# Altium PCB XXXX.687253.007.PcbDoc (part 1 of 2) (continued)
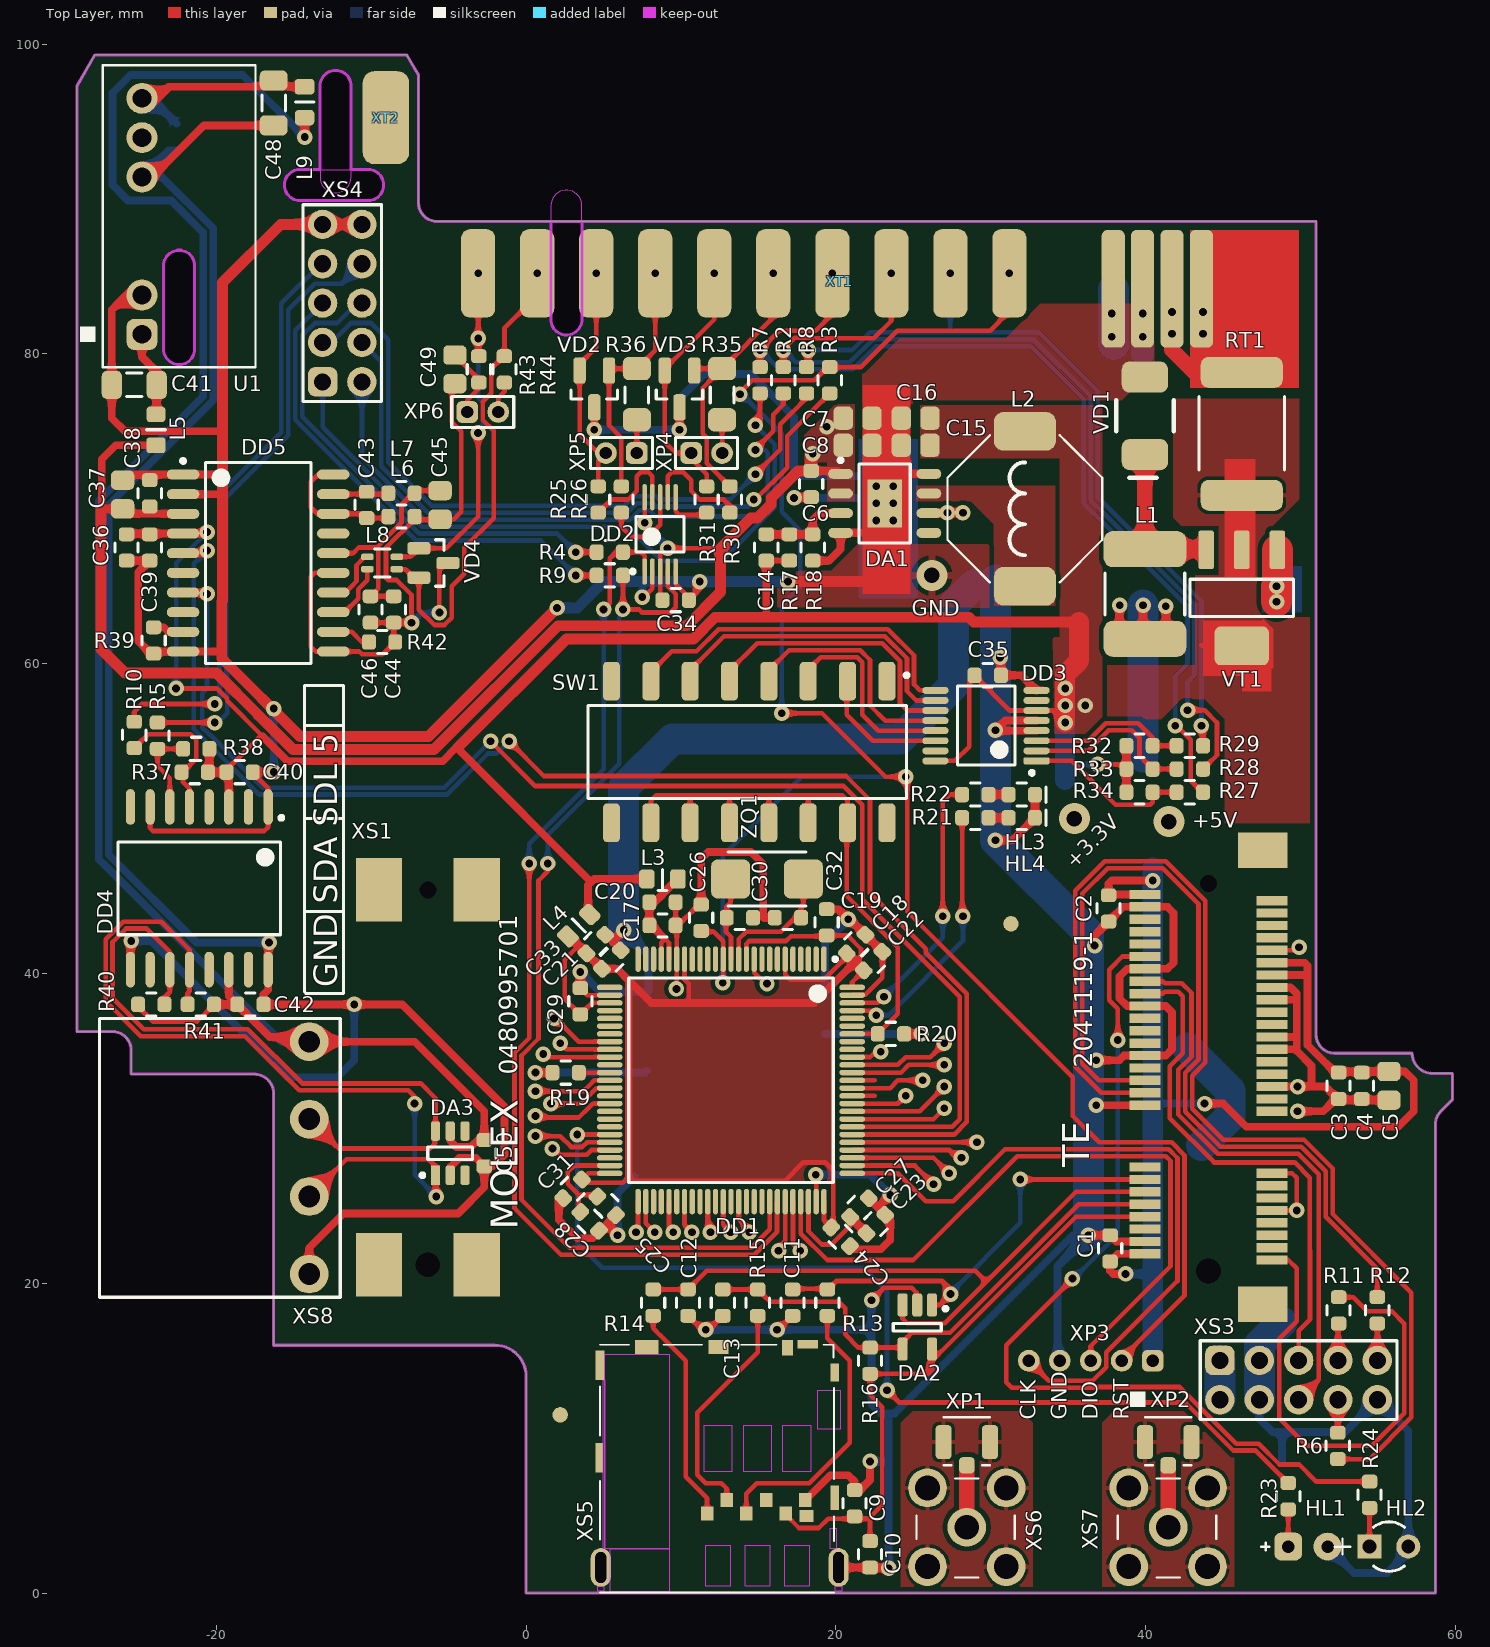
[diagram p0: Top Layer view]
## Part data (continued)
DD4: library part "SI8600AD-B-IS_Silicon Labs", "I?C Digital Isolator 5000Vrms 2 Channel 35kV/µs CMTI 16-SOIC (0.295\", 7.50mm Width)", Manufacturer="Silicon Labs", Operating Temperature="-40°C ~ +85°C", ValueBOM="Микросхема  SI8600AD-B-IS \"Silicon Labs\"", Voltage="5,0 В", ComponentLink2Description="Manufacturer Link", ComponentLink2URL=http://www.silabs.com/, ComponentLink3Description=Datasheet, ComponentLink3URL=https://www.silabs.com/documents/public/data-sheets/Si860x.pdf, ManufacturerPartNumber=SI8600AD-B-IS, Modify="29.04.2019 11:32:57", PartNumber="SI8600AD-B-IS_Silicon Labs", Supplier=Digi-Key, Supplier P/N=336-2049-5-ND, Автор="Ткаченко М.", Количество1=1, Количество2=25, Разрешен к применению=True, Цена1=3,99, Цена2=3,84
DD5: library part "ADM3055EBRIZ_Analog Devices", "5KV ISOPOWER ISOLATED CAN-FD TRA", Manufacturer="Analog Devices", Operating Temperature="-40°C ~ +105°C", ValueBOM="Микросхема  ADM3055EBRIZ \"Analog Devices\"", Voltage="5,0 В", ComponentLink2Description="Manufacturer Link", ComponentLink2URL=http://www.analog.com/en/index.html, ComponentLink3Description=Datasheet, ComponentLink3URL=https://www.analog.com/media/en/technical-documentation/data-sheets/ADM3055E.pdf, ManufacturerPartNumber=ADM3055EBRIZ, Modify="29.03.2019 16:43:48", PartNumber="ADM3055EBRIZ_Analog Devices", Supplier=Digi-Key, Supplier P/N=ADM3055EBRIZ-ND, Автор="Ткаченко М.", Количество1=1, Количество2=31, Разрешен к применению=True, Цена1=12,92, Цена2=11,37
HL1: library part LTL-4266N_LITE_ON, "Red 638nm LED Indication - Discrete 1.8V Radial", Current="20 мА", Manufacturer=LITE_ON, Operating Temperature="-40°C ~ +85°C", ValueBOM="Светодиод LTL-4266N \"LITE_ON\", красный", Voltage="1,8 В", ComponentLink2Description="Manufacturer Link", ComponentLink3Description=Datasheet, ComponentLink3URL=https://media.digikey.com/pdf/Data%20Sheets/Lite-On%20PDFs/LTL-4266N.pdf, Expr1015="09.04.2019 15:38:59", ManufacturerPartNumber=LTL-4266N, Modify="09.04.2019 15:38:59", NoteSCH=Red, PartNumber=LTL-4266N_LITE_ON, Supplier=Digi-Key, Supplier P/N=160-1034-ND, Автор="Ткаченко М.", Количество1=1, Количество2=10, Разрешен к применению=True, Цена1=0,5, Цена2=0,35
HL2: library part WP3A8GD_Kingbright, "Green 568nm LED Indication - Discrete 2.2V Radial", Current="20 мА", Manufacturer=Kingbright, Operating Temperature="-40°C ~ +85°C", Package Description="Светодиод 3 мм Зеленый", ValueBOM="Светодиод WP3A8GD \"Kingbright\", зеленый", Voltage="2,2 В", ComponentLink2Description="Manufacturer Link", ComponentLink2URL=http://www.kingbrightusa.com/, ComponentLink3Description=Datasheet, ComponentLink3URL=http://www.kingbrightusa.com/images/catalog/SPEC/WP3A8GD.pdf, Expr1015="09.04.2019 15:47:55", ManufacturerPartNumber=WP3A8GD, Modify="09.04.2019 15:47:55", NoteSCH=Green, PartNumber=WP3A8GD_Kingbright, Supplier=Digi-Key, Supplier P/N=754-1217-ND, Автор="Ткаченко М.", Количество1=1, Количество2=10, Разрешен к применению=True, Цена1=0,49, Цена2=0,35
HL3 HL4: library part "FYLS-0603PGC_Foryard Optoelectronics", "Светодиод маломощный зеленный 360mcd", Manufacturer="Foryard Optoelectronics", Operating Temperature="-40°C ~ +85°C", Package Description="Chip Led, 2-Leads, Body 1.6x0.8mm, IPC Medium Density", ValueBOM="Светодиод FYLS-0603PGC \"Foryard Optoelectronics\" SMD 0603", ComponentLink2Description="Manufacturer Link", ComponentLink2URL=http://foryard.com, ComponentLink3Description=Datasheet, ComponentLink3URL=http://foryard.com/f_FYLS-0603PGC.pdf, Expr1015="17.08.2015 12:18:50", ManufacturerPartNumber=FYLS-0603PGC, Modify="17.08.2015 12:18:50", NoteSCH=Зеленый, PartNumber="FYLS-0603PGC_Foryard Optoelectronics", Supplier=Compel, Автор="Хоменко С.П.", Количество1=0, Количество2=2000, Разрешен к применению=True, Цена1=0, Цена2=0,02
L1: library part 74279224151_Wurth-Electronics-Inc, Manufacturer=Wurth-Electronics-Inc, ManufacturerPartNumber=74279224151, Operating Temperature="-55°C ~ +125°C", Tolerance="± 20 %", ValueBOM="Индуктивность 74279224151 Wurth-Electronics-Inc", ComponentLink2Description="Manufacturer Link", ComponentLink2URL=http://www.we-online.com/web/en/wuerth_elektronik/start.php, ComponentLink3Description=Datasheet, ComponentLink3URL=http://katalog.we-online.de/pbs/datasheet/74279224151.pdf, Modify="02.06.2016 17:10:51", PartNumber=74279224151_Wurth-Electronics-Inc, Sorting=1, Supplier=Digi-Key, Supplier P/N=732-3423-1-ND, Автор="Ткаченко М.", Количество1=1, Количество2=10, Разрешен к применению=True, Цена1=1,23, Цена2=1,19
L2: library part "SRU1048-2R2Y_Bourns Inc.", "FIXED IND 2.2UH 6.5A 5.3 MOHM", Manufacturer="Bourns Inc.", ManufacturerPartNumber=SRU1048-2R2Y, Operating Temperature="-40°C ~ +125°C", Tolerance="± 20 %", ValueBOM="Дроссель SRU1048-2R2Y \"Bourns Inc.\" (2,2мкГн, ± 20 %, 6,5 А )", ComponentLink2Description="Manufacturer Link", ComponentLink2URL=http://www.bourns.com, ComponentLink3Description=Datasheet, ComponentLink3URL=https://www.bourns.com/docs/Product-Datasheets/SRU1048.pdf, Modify="10.04.2019 21:50:26", PartNumber="SRU1048-2R2Y_Bourns Inc.", Sorting=2,20000004768372, Supplier=Digi-Key, Supplier P/N=SRU1048-2R2YCT-ND, Автор="Ткаченко М.", Количество1=1, Количество2=10, Разрешен к применению=True, Цена1=1,02, Цена2=0,95
L3 L4 L5 L9: library part "BLM21PG221SN1D_Murata Electronics", "FERRITE BEAD 220 OHM 0805 2A", Manufacturer="Murata Electronics", ManufacturerPartNumber=BLM21PG221SN1D, Operating Temperature="-55°C ~ +125°C", Package Description="Chip Ferrite Bead SMD0805, Body 2.0x1.3mm, IPC Medium Density", Tolerance="± 25 %", ValueBOM="Индуктивность BLM21PG221SN1D \"Murata Electronics\" (220Гн, ± 25 %, SMD 0805)", ComponentLink2Description="Manufacturer Link", ComponentLink2URL=http://www.murata.com/, ComponentLink3Description=Datasheet, ComponentLink3URL=http://search.murata.co.jp/Ceramy/image/img/PDF/ENG/L0110S0100BLM21P.pdf, Modify=02.02.2016, PartNumber="BLM21PG221SN1D_Murata Electronics", Sorting=2, Supplier=Digi-Key, Supplier P/N=490-1054-1-ND, Автор="Хоменко С.П.", Количество1=10, Количество2=50, Разрешен к применению=True, Цена1=0,09, Цена2=0,0732
L6 L7: library part "BK1608LM751-T_Taiyo Yuden", "FERRITE BEAD 750 OHM 0603 1LN", Manufacturer="Taiyo Yuden", ManufacturerPartNumber=BK1608LM751-T, Operating Temperature="-55°C ~ +125°C", Tolerance="± 20 %", ValueBOM="Дроссель BK1608LM751-T Taiyo Yuden", ComponentLink2Description="Manufacturer Link", ComponentLink2URL=http://www.t-yuden.com/, ComponentLink3Description=Datasheet, ComponentLink3URL=http://www.yuden.co.jp/productdata/catalog/en/mlci07_e.pdf, Modify="27.09.2017 10:27:10", PartNumber="BK1608LM751-T_Taiyo Yuden", Sorting=6, Supplier=Digi-Key, Supplier P/N=587-1894-1-ND, Автор="Ткаченко М.", Количество1=1, Количество2=10, Разрешен к применению=True, Цена1=0,1, Цена2=0,08
L8: library part "ACM2012-900-2P-T002_TDK Corporation", "CHOKE COMM MODE 90 OHM .4A SMD", Manufacturer="TDK Corporation", ManufacturerPartNumber=ACM2012-900-2P-T002, Operating Temperature="-40°C ~ +85°C", Package Description="Chip Inductor, Common Mode Filters, 4-Leads, Body 2.0x1,2mm, IPC Medium Density, IEA 0805", Tolerance="± 20 %", ValueBOM="Индуктивность ACM2012-900-2P-T002 \"TDK Corporation\" ± 20 %)", ComponentLink2Description="Manufacturer Link", ComponentLink2URL=http://www.global.tdk.com/, ComponentLink3Description=Datasheet, ComponentLink3URL=https://product.tdk.com/info/en/catalog/datasheets/cmf_commercial_signal_acm2012_en.pdf, Modify="02.02.2016 12:53:53", PartNumber="ACM2012-900-2P-T002_TDK Corporation", Sorting=1, Supplier=Digi-Key, Supplier P/N=445-2207-1-ND, Автор="Хоменко С.П.", Количество1=10, Количество2=50, Разрешен к применению=True, Цена1=0,448, Цена2=0,364
R2 R3 R4 R5 R6 R7 R8 R9 R10 R11 R12 R13 R14 R15 R25 R26 R30 R31: library part RC0603JR-0722RL_Yageo, "RES SMD 22 OHM 5% 1/10W 0603", Manufacturer=Yageo, ManufacturerPartNumber=RC0603JR-0722RL, Operating Temperature="-55°C ~ +125°C", Package Description="Chip Resistor, Body 1.6x0.8mm, IPC Medium Density", Power="0,1 Вт", Tolerance="± 5 %", ValueBOM="Резистор RC0603JR-0722RL \"Yageo\" (22 Ом ± 5 %, 0,1 Вт SMD 0603)", ComponentLink2Description="Manufacturer Link", ComponentLink2URL=http://www.yageo.com/, ComponentLink3Description=Datasheet, ComponentLink3URL=http://www.yageo.com/NewPortal/yageodocoutput?fileName=/pdf/R-Chip/PYu-RC_Group_51_RoHS_L_3.pdf, Marking=220, Modify="12.08.2015 22:38:32", PartNumber=RC0603JR-0722RL_Yageo, Sorting=22, Supplier=Digi-Key, Supplier P/N=311-22GRCT-ND, Автор="Хоменко С.П.", Количество1=10, Количество2=25, Разрешен к применению=True, ТКС=±100ppm/C°, Цена1=0,011, Цена2=0,008
R16 R18 R19 R20 R32 R33 R34 R39 R42: library part RC0603FR-0715KL_Yageo, "RES SMD 15K OHM 1% 1/10W 0603", Manufacturer=Yageo, ManufacturerPartNumber=RC0603FR-0715KL, Operating Temperature="-55°C ~ +155°C", Package Description="Chip Resistor, Body 1.6x0.8mm, IPC Medium Density", Power="0,1 Вт", Tolerance="± 1 %", ValueBOM="Резистор RC0603FR-0715KL \"Yageo\" (15 кОм ± 1 %, 0,1 Вт SMD 0603)", ComponentLink2Description="Manufacturer Link", ComponentLink2URL=http://www.yageo.com/, ComponentLink3Description=Datasheet, ComponentLink3URL=http://www.yageo.com/NewPortal/yageodocoutput?fileName=/pdf/R-Chip/PYu-RC_Group_51_RoHS_L_3.pdf, Marking=1502, Modify=26.01.2016, PartNumber=RC0603FR-0715KL_Yageo, Sorting=15000, Supplier=Digi-Key, Автор="Хоменко С.П.", Количество1=10, Количество2=25, Разрешен к применению=True, ТКС=±100ppm/C°, Цена1=0,014, Цена2=0,01
R17: library part RC0603FR-0747KL_Yageo, "RES SMD 47K OHM 1% 1/10W 0603", Manufacturer=Yageo, ManufacturerPartNumber=RC0603FR-0747KL, Operating Temperature="-55°C ~ +155°C", Package Description="Chip Resistor, Body 1.6x0.8mm, IPC Medium Density", Power="0,1 Вт", Tolerance="± 1 %", ValueBOM="Резистор RC0603FR-0747KL \"Yageo\" (47 кОм ± 1 %, 0,1 Вт SMD 0603)", ComponentLink2Description="Manufacturer Link", ComponentLink2URL=http://www.yageo.com/, ComponentLink3Description=Datasheet, ComponentLink3URL=http://www.yageo.com/NewPortal/yageodocoutput?fileName=/pdf/R-Chip/PYu-RC_Group_51_RoHS_L_3.pdf, Marking=4702, Modify=10.09.2015, PartNumber=RC0603FR-0747KL_Yageo, Sorting=47000, Supplier=Digi-Key, Supplier P/N=311-56KHRCT-ND, Автор="Ткаченко М.", Количество1=10, Количество2=25, Разрешен к применению=True, ТКС=±100ppm/C°, Цена1=0,014, Цена2=0,01
R21 R22 R23 R24: library part RC0603JR-071KL_Yageo, "RES SMD 1K OHM 5% 1/10W 0603", Manufacturer=Yageo, ManufacturerPartNumber=RC0603JR-071KL, Operating Temperature="-55°C ~ +125°C", Package Description="Chip Resistor, Body 1.6x0.8mm, IPC Medium Density", Power="0,1 Вт", Tolerance="± 5 %", ValueBOM="Резистор RC0603JR-071KL \"Yageo\" (1 кОм ± 5 %, 0,1 Вт SMD 0603)", ComponentLink2Description="Manufacturer Link", ComponentLink2URL=http://www.yageo.com/, ComponentLink3Description=Datasheet, ComponentLink3URL=http://www.yageo.com/NewPortal/yageodocoutput?fileName=/pdf/R-Chip/PYu-RC_Group_51_RoHS_L_3.pdf, Marking=103, Modify="12.08.2015 22:38:32", PartNumber=RC0603JR-071KL_Yageo, Sorting=1000, Supplier=Digi-Key, Supplier P/N=311-1.0KGRCT-ND, Автор="Хоменко С.П.", Количество1=10, Количество2=25, Разрешен к применению=True, ТКС=±100ppm/C°, Цена1=0,011, Цена2=0,008
R27 R28 R29: library part RC0603JR-07150RL_Yageo, "RES SMD 150 OHM 5% 1/10W 0603", Manufacturer=Yageo, ManufacturerPartNumber=RC0603JR-07150RL, Operating Temperature="-55°C ~ +125°C", Package Description="Chip Resistor, Body 1.6x0.8mm, IPC Medium Density", Power="0,1 Вт", Tolerance="± 5 %", ValueBOM="Резистор RC0603JR-07150RL \"Yageo\" (150 Ом ± 5 %, 0,1 Вт SMD 0603)", ComponentLink2Description="Manufacturer Link", ComponentLink2URL=http://www.yageo.com/, ComponentLink3Description=Datasheet, ComponentLink3URL=http://www.yageo.com/NewPortal/yageodocoutput?fileName=/pdf/R-Chip/PYu-RC_Group_51_RoHS_L_3.pdf, Marking=151, Modify=14.09.2015, PartNumber=RC0603JR-07150RL_Yageo, Sorting=150, Supplier=Digi-Key, Supplier P/N=311-150GRCT-ND, Автор="Хоменко С.П.", Количество1=10, Количество2=100, Разрешен к применению=True, ТКС=±100ppm/C°, Цена1=0,011, Цена2=0,0044
R35 R36: library part RC1206JR-07120RL_Yageo, "120 Ohm ±5% 0.25W, 1/4W Chip Resistor 1206 (3216 Metric) Moisture Resistant Thick Film", Manufacturer=Yageo, ManufacturerPartNumber=RC1206JR-07120RL, Operating Temperature="-55°C ~ +155°C", Package Description="Chip Resistor, Body 3,2x1.6mm, IPC Medium Density", Power="0,25 Вт", Tolerance="± 5 %", ValueBOM="Резистор RC1206JR-07120RL \"Yageo\" (120 Ом ± 5 %, 0,25 Вт SMD 1206)", ComponentLink2Description="Manufacturer Link", ComponentLink2URL=http://www.yageo.com/, ComponentLink3Description=Datasheet, ComponentLink3URL=http://www.yageo.com.tw/exep/pages/download/literatures/PYu-R_INT-thick_7.pdf, Marking=121, Modify="01.03.2017 9:26:19", PartNumber=RC1206JR-07120RL_Yageo, Sorting=120, Supplier=Digi-Key, Supplier P/N=311-200ERCT-ND, Автор="Ткаченко М.", Количество1=1, Количество2=10, Разрешен к применению=True, ТКС=±200ppm/C°, Цена1=0,10, Цена2=0,22
R37 R38 R40 R41: library part RC0603JR-073KL_Yageo, "RES SMD 3K OHM 5% 1/10W 0603", Manufacturer=Yageo, ManufacturerPartNumber=RC0603JR-073KL, Operating Temperature="-55°C ~ +125°C", Package Description="Chip Resistor, Body 1.6x0.8mm, IPC Medium Density", Power="0,1 Вт", Tolerance="± 5 %", ValueBOM="Резистор RC0603JR-073KL \"Yageo\" (3 кОм ± 5 %, 0,1 Вт SMD 0603)", ComponentLink2Description="Manufacturer Link", ComponentLink2URL=http://www.yageo.com/, ComponentLink3Description=Datasheet, ComponentLink3URL=http://www.yageo.com/NewPortal/yageodocoutput?fileName=/pdf/R-Chip/PYu-RC_Group_51_RoHS_L_3.pdf, Marking=302, Modify=10.09.2015, PartNumber=RC0603JR-073KL_Yageo, Sorting=3000, Supplier=Digi-Key, Supplier P/N=311-2.0KGRCT-ND, Автор="Хоменко С.П.", Количество1=10, Количество2=100, Разрешен к применению=True, ТКС=±100ppm/C°, Цена1=0,011, Цена2=0,0044
R43 R44: library part RC0603JR-0762RL_Yageo, "RES SMD 62 OHM 5% 1/10W 0603", Manufacturer=Yageo, ManufacturerPartNumber=RC0603JR-0762RL, Operating Temperature="-55°C ~ +155°C", Package Description="Chip Resistor, Body 1.6x0.8mm, IPC Medium Density", Power="0,1 Вт", Tolerance="± 5 %", ValueBOM="Резистор RC0603JR-0762RL \"Yageo\" (62 Ом ± 5 %, 0,1 Вт SMD 0603)", ComponentLink2Description="Manufacturer Link", ComponentLink2URL=http://www.yageo.com/, ComponentLink3Description=Datasheet, ComponentLink3URL=http://www.yageo.com.tw/exep/pages/download/literatures/PYu-R_INT-thick_7.pdf, Marking=620, Modify="15.02.2017 9:47:34", PartNumber=RC0603JR-0762RL_Yageo, Sorting=62, Supplier=Digi-Key, Supplier P/N=311-62GRCT-ND, Автор="Шелкович Ю.Е.", Количество1=1, Количество2=10, Разрешен к применению=True, ТКС=±100ppm/C°, Цена1=0,10, Цена2=0,10
RT1: library part 2920L600/12MR_Littelfuse, "PTC RESET FUSE 12V 6A 2920", Current="6 A", Manufacturer=Littelfuse, ManufacturerPartNumber=2920L600/12MR, Operating Temperature="-40°C ~ +150°C", ValueBOM="PTC предохранитель 2920L600/12MR \"Littelfuse\" (6 А, 12 В)", Voltage="12 В", ComponentLink2Description="Manufacturer Link", ComponentLink2URL=http://www.littelfuse.com/, ComponentLink3Description=Datasheet, Marking=LF600, Modify="10.04.2019 18:02:19", PartNumber=2920L600/12MR_Littelfuse, Supplier=Digi-Key, Supplier P/N=F8137CT-ND, Автор="Ткаченко М.", Количество1=1, Количество2=10, Разрешен к применению=True, Цена1=0,88, Цена2=0,85
SW1: library part "219-8LPST_CTS-Frequency Controls", "SWITCH SLIDE DIP SPST 100MA 20V", Current="100 мА", Manufacturer="CTS-Frequency Controls", Operating Temperature="-40°C ~ +85°C", ValueBOM="Переключатель 219-8LPST \"CTS-Frequency Controls\"", Voltage="20 В", ComponentLink2Description="Manufacturer Link", ComponentLink2URL=http://www.ctscorp.com/components/, ComponentLink3Description=Datasheet, ComponentLink3URL=https://www.ctscorp.com/wp-content/uploads/219.pdf, Expr1008="20 В", Expr1009="100 мА", ManufacturerPartNumber=219-8LPST, Modify="16.03.2019 16:25:20", PartNumber="219-8LPST_CTS-Frequency Controls", Supplier=Digi-Key, Supplier P/N=CT2198LPST-ND, Автор="Ткаченко М.", Количество1=1, Количество2=10, Разрешен к применению=True, Цена1=1,05, Цена2=1,03
U1: library part "MEJ1S0505SC_Murata Electronics", "DC DC CONVERTER 5V 1W", Current="0,2 A", Manufacturer="Murata Electronics", Operating Temperature="-40°C ~ +85°C", Tolerance="± 1 %", ValueBOM="DC/DC преобразователь MEJ1S0505SC \"Murata Electronics\"", Voltage="5,0 В", ComponentLink2Description="Manufacturer Link", ComponentLink2URL=http://www.murata.com/, ComponentLink3Description=Datasheet, ComponentLink3URL=https://power.murata.com/pub/data/power/ncl/kdc_mej1.pdf, ManufacturerPartNumber=MEJ1S0505SC, Modify="15.03.2019 15:17:48", PartNumber="MEJ1S0505SC_Murata Electronics", Supplier=Digi-Key, Supplier P/N=811-3013-5-ND, Автор="Ткаченко М.", Количество1=1, Количество2=10, Разрешен к применению=True, Цена1=8,91, Цена2=8,81
VD1: library part SMBJ5.0A-TR_STMicroelectronics, "TVS DIODE 5VWM 13.4VC DO214AA", Manufacturer=STMicroelectronics, Operating Temperature="-55°C ~ +150°C", Package Description="Корпус DO-214AA", ValueBOM="TVS диод SMBJ5.0A-TR STMicroelectronics", ComponentLink2Description="Manufacturer Link", ComponentLink2URL=http://www.st.com, ComponentLink3Description=Datasheet, ComponentLink3URL=http://www.st.com/web/en/resource/technical/document/datasheet/CD00001366.pdf, ManufacturerPartNumber=SMBJ5.0A-TR, Marking=BUZ, Modify=27.08.2015, PartNumber=SMBJ5.0A-TR_STMicroelectronics, Supplier=Digi-Key, Supplier P/N=497-3145-1-ND, Автор="Хоменко С.П.", Количество1=10, Количество2=100, Разрешен к применению=True, Цена1=0,27, Цена2=0,151
VD2 VD3: library part "SM712.TCT_Semtech Corporation", "TVS DIODE 12V/7V 26V/12V SOT23-3", Manufacturer="Semtech Corporation", Operating Temperature="-40°C ~ +85°C", Package Description="SOT23, 3-Leads, Body 2.9x1.3mm, Pitch 0.95mm, Lead Span 2.5mm, IPC Medium Density", ValueBOM="TVS диод SM712.TCT \"STMicroelectronics\" 	SO23-3", Voltage="-7 В - 12 В", ComponentLink2Description="Manufacturer Link", ComponentLink2URL=https://www.semtech.com/, ComponentLink3Description=Datasheet, ComponentLink3URL=https://www.semtech.com/uploads/documents/sm712.pdf, ManufacturerPartNumber=SM712.TCT, Marking=712, Modify="23.02.2019 13:32:50", PartNumber="SM712.TCT_Semtech Corporation", Supplier=Digi-Key, Supplier P/N=SM712CT-ND, Автор="Ткаченко М.", Количество1=1, Количество2=500, Разрешен к применению=True, Цена1=1,8, Цена2=1,05
VD4: library part "PESD2CAN_NXP Semiconductors", "TVS DIODE 24VWM 41VC SOT23 CAN bus protection 240W", Manufacturer="NXP Semiconductors", Operating Temperature="-55°C ~ +150°C", Package Description="SOT23, 3-Leads, Body 2.9x1.3mm, Pitch 0.95mm, Lead Span 2.5mm, IPC Medium Density", ValueBOM="TVS диод PESD2CAN \"NXP Semiconductors\" SOT23-3", ComponentLink2Description="Manufacturer Link", ComponentLink2URL=http://www.nxp.com/, ComponentLink3Description=Datasheet, ComponentLink3URL=http://www.nxp.com/documents/data_sheet/PESD2CAN.pdf, ManufacturerPartNumber=PESD2CAN, Marking=6R, Modify="12.08.2015 14:44:58", PartNumber="PESD2CAN_NXP Semiconductors", Supplier=Digi-Key, Supplier P/N=568-4147-1-ND, Автор="Хоменко С.П.", Количество1=10, Количество2=25, Разрешен к применению=True, Цена1=0,406, Цена2=0,333
VT1: library part "DMP6023LE-13_Diodes Incorporated", "Транзистор P-канальный", Current=-7A, Manufacturer="Diodes Incorporated", Operating Temperature="-55°C ~ +150°C", Package Description="SOT223, 4-Leads, Body 6,45x7,00mm (avg), Pitch 2,30mm, IPC Low Density", ValueBOM="Транзистор DMP6023LE-13 Diodes Incorporated", Voltage="-60 В", ComponentLink2Description="Manufacturer Link", ComponentLink2URL=http://www.diodes.com/, ComponentLink3Description=Datasheet, ComponentLink3URL=http://www.diodes.com/_files/datasheets/DMP6023LE.pdf, Expr1007="-60 В", Expr1008=-7A, Expr1013=False, ManufacturerPartNumber=DMP6023LE-13, Marking=DMP6023LE-13, Modify="31.05.2016 11:19:03", PartNumber="DMP6023LE-13_Diodes Incorporated", Supplier=Digi-Key, Supplier P/N=DMP6023LE-13DICT-ND, Автор="Ткаченко М.", Количество1=1, Количество2=10, Разрешен к применению=False, Цена1=0,77, Цена2=0,68
XP1 XP2: library part "1909763-1_TE Connectivity", "CONN UMCC JACK STR 50OHM SMD", Manufacturer="TE Connectivity", Operating Temperature="-40°C ~ +85°C", ValueBOM="Розетка  	1909763-1 \"TE Connectivit ( 50 Ом, UMCC )", ComponentLink2Description="Manufacturer Link", ComponentLink2URL=http://www.te.com/usa-en/home.html, ComponentLink3Description=Datasheet, ComponentLink3URL=https://ru.mouser.com/datasheet/2/418/NG_CD_1909763_B3-619313.pdf, ManufacturerPartNumber=1909763-1, Modify="11.04.2019 12:15:01", Net_Name1=GND, PartNumber="1909763-1_TE Connectivity", Supplier=Digi-Key, Supplier P/N=A118077CT-ND, Автор="Ткаченко М.", Количество1=1, Количество2=10, Разрешен к применению=True, Цена1=0,5, Цена2=0,47
  XP1: Net_Name2="Antena GPS"
  XP2: Net_Name2="Antena GSM"
XP3: library part PLS2-5_CONNFLY, Manufacturer=CONNFLY, Operating Temperature="-40°C ~ +100°C", ValueBOM="Вилка  PLS2-5 \"CONNFLY\"", ComponentLink2Description="Manufacturer Link", ComponentLink2URL=http://www.connfly.com/, ComponentLink3Description=Datasheet, ComponentLink3URL=http://www.platan.ru/pdf/datasheets/xn/113.pdf, ManufacturerPartNumber=PLS2-5, Modify="01.06.2016 11:25:57", Net_Name1="+ 3,3 В", Net_Name2=Reset, Net_Name3=SWDIO, Net_Name4=GND, Net_Name5=SWCLK, PartNumber=PLS2-5_CONNFLY, Количество1=1, Количество2=10, Разрешен к применению=True, Цена1=0, Цена2=0
XP4 XP5 XP6: library part PLS2-2_CONNFLY, Manufacturer=CONNFLY, Operating Temperature="-40°C ~ +100°C", ValueBOM="Вилка  PLS2-2 \"CONNFLY\"", ComponentLink2Description="Manufacturer Link", ComponentLink2URL=http://www.connfly.com/, ComponentLink3Description=Datasheet, ComponentLink3URL=http://www.platan.ru/pdf/datasheets/xn/113.pdf, ManufacturerPartNumber=PLS2-2, Modify="01.06.2016 11:25:57", Net_Name1=Term, Net_Name2=Term, PartNumber=PLS2-2_CONNFLY, Количество1=1, Количество2=10, Разрешен к применению=True, Цена1=0, Цена2=0
XS1: library part "1775838-2_TE Connectivity", "CONN PCI EXP MINI FEMALE 52POS", Manufacturer="TE Connectivity", Operating Temperature="-40°C ~ +85°C", ValueBOM="Розетка  1775838-2 \"TE Connectivity\"", ComponentLink2Description="Manufacturer Link", ComponentLink2URL=http://www.te.com/usa-en/home.html, ComponentLink3Description=Datasheet, ComponentLink3URL=https://www.te.com/commerce/DocumentDelivery/DDEController?Action=srchrtrv&DocNm=1775838&DocType=Customer+Drawing&DocLang=English, ManufacturerPartNumber=1775838-2, Modify="11.04.2019 22:00:08", Net_Name1=WAKE#, Net_Name2=VCC_3V3, Net_Name3=RESERVED, Net_Name4=GND, Net_Name5=RESERVED, Net_Name6=NC, Net_Name7=RESERVED, Net_Name8=USIM_VDD, Net_Name9=GND, Net_Name10=USIM_DATA, Net_Name11=UART_RX, Net_Name12=USIM_CLK, Net_Name13=UART_TX, Net_Name14=USIM_RST, Net_Name15=GND, Net_Name16=RESERVED, Net_Name17=RI, Net_Name18=GND, Net_Name19=RESERVED, Net_Name20=W_DISABLE#, Net_Name21=GND, Net_Name22=PERST#, Net_Name23=UART_CTS, Net_Name24=RESERVED, Net_Name25=UART_RTS, Net_Name26=GND, Net_Name27=GND, Net_Name28=NC, Net_Name29=GND, Net_Name30=I2C_SCL, Net_Name31=DTR, Net_Name32=I2C_SDA, Net_Name33=RESERVED, Net_Name34=GND, Net_Name35=GND, Net_Name36=USB_DM, Net_Name37=GND, Net_Name38=USB_DP, Net_Name39=VCC_3V3, Net_Name40=GND, Net_Name41=VCC_3V3, Net_Name42=LED_WWAN#, Net_Name43=GND, Net_Name44=RESERVED, Net_Name45=PCM_CLK, Net_Name46=RESERVED, Net_Name47=PCM_DOUT, Net_Name48=NC, Net_Name49=PCM_DIN, Net_Name50=GND, Net_Name51=PCM_SYNC, Net_Name52=VCC_3V3, PartNumber="1775838-2_TE Connectivity", Supplier=Digi-Key, Supplier P/N=A123340CT-ND, Автор="Ткаченко М.", Количество1=1, Количество2=10, Разрешен к применению=True, Цена1=0,81, Цена2=0,72
XS3 XS4: library part DS1023-2*5S21_CONNFLY, Manufacturer=CONNFLY, Operating Temperature="-40°C ~ +85°C", ValueBOM="Розетка  DS1023-2*5S21 \"CONNFLY\"", ComponentLink2Description="Manufacturer Link", ComponentLink2URL=http://www.connfly.com/, ComponentLink3Description=Datasheet, ComponentLink3URL=https://static.chipdip.ru/lib/226/DOC000226931.pdf, ManufacturerPartNumber=DS1023-2*5S21, Modify="15.04.2019 11:33:58", PartNumber=DS1023-2*5S21_CONNFLY, Supplier=ChipDip, Supplier P/N=60838, Количество1=1, Количество2=10, Разрешен к применению=True, Цена1=0,2, Цена2=0,2
XS5: library part "2822541-1_TE Connectivity", "7 (6 + 1) Position Card Connector Micro SIM Surface Mount, Right Angle Gold", Manufacturer="TE Connectivity", Operating Temperature="-40°C ~ +85°C", ValueBOM="Розетка  2822541-1 \"TE Connectivity\"", ComponentLink2Description="Manufacturer Link", ComponentLink2URL=http://www.te.com/usa-en/home.html, ComponentLink3Description=Datasheet, ComponentLink3URL=https://www.te.com/commerce/DocumentDelivery/DDEController?Action=srchrtrv&DocNm=2822541&DocType=Customer+Drawing&DocLang=English, ManufacturerPartNumber=2822541-1, Modify="15.04.2019 13:36:21", Net_Name1=C1/VCC, Net_Name2=C2/RST, Net_Name3=C3/CLK, Net_Name4=C5/GND, Net_Name5=C6/VPP, Net_Name6=C7/I-O, Net_Name7=SW, Net_Name8=Shild, PartNumber="2822541-1_TE Connectivity", Supplier=Digi-Key, Supplier P/N=A141365CT-ND, Автор="Ткаченко М.", Количество1=1, Количество2=10, Разрешен к применению=True, Цена1=1,35, Цена2=1,2
XS6 XS7: library part 0733910080_Molex, "SMA Connector Jack, Female Socket 50 Ohm Through Hole, Right Angle Solder", Manufacturer=Molex, Operating Temperature="-40°C ~ +85°C", ValueBOM="Розетка  0733910080 \"Molex\" (S	MA Jack)", ComponentLink2Description="Manufacturer Link", ComponentLink2URL=http://www.molex.com/, ComponentLink3Description=Datasheet, ComponentLink3URL=https://www.molex.com/pdm_docs/sd/733910080_sd.pdf, ManufacturerPartNumber=0733910080, Modify="11.04.2019 13:32:53", Net_Name1=GND, PartNumber=0733910080_Molex, Supplier=Digi-Key, Supplier P/N=WM4088-ND, Автор="Ткаченко М.", Количество1=1, Количество2=10, Разрешен к применению=True, Цена1=3,71, Цена2=3,56
  XS6: Net_Name2="Antena GPS"
  XS7: Net_Name2="Antena GSM"
XS8: library part "MSTBO 2,5/ 4-G1PR GY7035 - 2200326_Phoenixcontact", Manufacturer=Phoenixcontact, Operating Temperature="-40°C ~ +85°C", ValueBOM="Розетка  2200326 \"Phoenixcontact\"", ComponentLink2Description="Manufacturer Link", ComponentLink2URL=https://www.phoenixcontact.com/online/portal/pi?1dmy&urile=wcm%3apath%3a/piru/web/home, ComponentLink3Description=Datasheet, ComponentLink3URL=https://www.phoenixcontact.com/online/portal/pi/?uri=pxc-oc-itemdetail:pid=2200326&library=piru&pcck=P-11-02-11&tab=1&selectedCategory=ALL, ManufacturerPartNumber="MSTBO 2,5/ 4-G1PR GY7035 - 2200326", Modify="19.03.2019 19:25:13", Net_Name1=I2C_SDA, Net_Name2=Общий, Net_Name3=I2C_SCL, Net_Name4="+5 В", PartNumber="MSTBO 2,5/ 4-G1PR GY7035 - 2200326_Phoenixcontact", Supplier P/N=2200326, Автор="Ткаченко М.", Количество1=1, Количество2=10, Разрешен к применению=True, Цена1=0, Цена2=0
XT1: library part pads12_Контактмодуль, Manufacturer=Контактмодуль, ManufacturerPartNumber=pads12, ValueBOM=Штырь, ComponentLink2Description="Manufacturer Link", ComponentLink3Description=Datasheet, Modify="20.03.2019 13:49:03", PartNumber=pads12_Контактмодуль, Автор="Ткаченко М.", Количество1=1, Количество2=10, Разрешен к применению=True, Цена1=0, Цена2=0
XT2: library part PAD1.3x0.8_Контактмодуль, "отверстие сигнальных цепей", Manufacturer=Контактмодуль, ManufacturerPartNumber=PAD1.3x0.8, Package Description=111, ComponentLink2Description="Manufacturer Link", ComponentLink3Description=Datasheet, Modify="15.02.2016 15:20:49", PartNumber=PAD1.3x0.8_Контактмодуль, Автор="Ткаченко М.", Количество1=0, Количество2=0, Разрешен к применению=True, Цена1=0, Цена2=0
ZQ1: library part "ABM3-8.000MHZ-D2Y-T_Abracon LLC", "8MHz ±20ppm Crystal 18pF 140 Ohm -40°C ~ 85°C Surface Mount 2-SMD", Manufacturer="Abracon LLC", Operating Temperature="-40°C ~ +85°C", Package Description="MINIATURE CERAMIC SMD CRYSTAL 5x3.2 mm", Tolerance=±20ppm, ValueBOM="Резонатор кварцевый ABM3-8.000MHZ-D2Y-T \"Abracon LLC\"", ComponentLink2Description="Manufacturer Link", ComponentLink2URL=http://www.abracon.com, ComponentLink3Description=Datasheet, ComponentLink3URL=http://www.abracon.com/Resonators/abm3.pdf, ManufacturerPartNumber=ABM3-8.000MHZ-D2Y-T, Modify=20.01.2016, PartNumber="ABM3-8.000MHZ-D2Y-T_Abracon LLC", Supplier=Digi-Key, Supplier P/N=535-10630-1-ND, Автор="Хоменко С.П.", Количество1=1, Количество2=10, Разрешен к применению=True, Цена1=0,69, Цена2=0,579

## Free pads (board coordinates)
  round 1 all layers, no hole paste+0 mask+0.75: rep(2.2,11.5) rep(31.3,43.2)

## Via types
v1: diameter 1, hole 0.5, Top Layer to Bottom Layer, tented both sides, 104 vias
v2: diameter 1, hole 0.5, Top Layer to Bottom Layer, 34 vias
v3: diameter 0.8, hole 0.5, Top Layer to Bottom Layer, tented both sides, 6 vias
v4: diameter 2, hole 1, Top Layer to Bottom Layer, 3 vias

## Nets (pads, with @x,y where several pads share a name; then routed paths per layer and width w, separated by ;. In a path a pad name is that pad's centre, name@x,y a point inside that pad or via, vN(x,y) a via of type N, cw(c..) or ccw(c..) an arc to the next point about the centre after c; other vN are vias at no path point)
3,3: C18.1 C21.1 C22.1 C24.1 C29.1 C31.1 C32.1 C33.1 DD1.6 DD1.11 DD1.19 DD1.28 DD1.50 DD1.75 DD1.100 L4.1 | length 91.3
  Top Layer w0.3: L4.1@2.693,42.393 3.343,41.743 2.5,40.9 2.5,38.35 C29.1@3.5,37.35 ; C29.1@3.5,37.35 4.25,38.1 DD1.28@5.4,38.1 ; C33.1@3.787,41.299 C33.1@3.899,41.299 ; DD1.50@5.4,27.1 4,27.1 C31.1@3.601,26.701 3.899,26.701 4,26.6 4,26.5 6.225,26.5 6.6,26.875 6.6,26.9 6.625,26.9 6.925,26.6 16.7,26.6 17.9,27.8 19.3,27.8 19.834,27.266 C24.1@19.834,23.466 ; 9.369,38.2 10.031,38.2 ; DD1.19@10.225,40.925 10.225,39.606 10.5,39.331 10.5,38.1 ; DD1.11@14.225,40.925 14.225,41.925 14.4,42.1 16.8,42.1 17.1,42.4 C32.1@19.4,42.4 ; DD1.6@16.725,40.925 16.725,39.925 17.05,39.6 19.222,39.6 20.699,41.077 C18.1@20.699,41.299 ; DD1.75@19.225,25.275 19.225,24.075 C24.1@19.699,23.601 C24.1@19.799,23.501 ; C32.1@19.4,42.45 20.75,42.45 21.618,41.582 21.618,41.118 21.249,40.749 ; DD1.100@21.05,39.1 21.05,39.45 C22.1@21.799,40.199
  Top Layer w0.5: L4.1@2.693,42.393 2.805,42.393 C21.1@4.899,40.299 ; C33.1@3.899,41.299 C21.1@4.899,40.299 ; 6.625,26.9 6.625,39.55 5.876,40.299 C21.1@4.899,40.299 ; 6.8,39.375 8.075,38.1 10.5,38.1 18.6,38.1 21.249,40.749 ; C18.1@20.699,41.299 21.249,40.749 ; C22.1@21.799,40.199 21.249,40.749